# Altium PCB Sayma_AMC_RFSoC.PcbDoc (part 5 of 11) (continued)
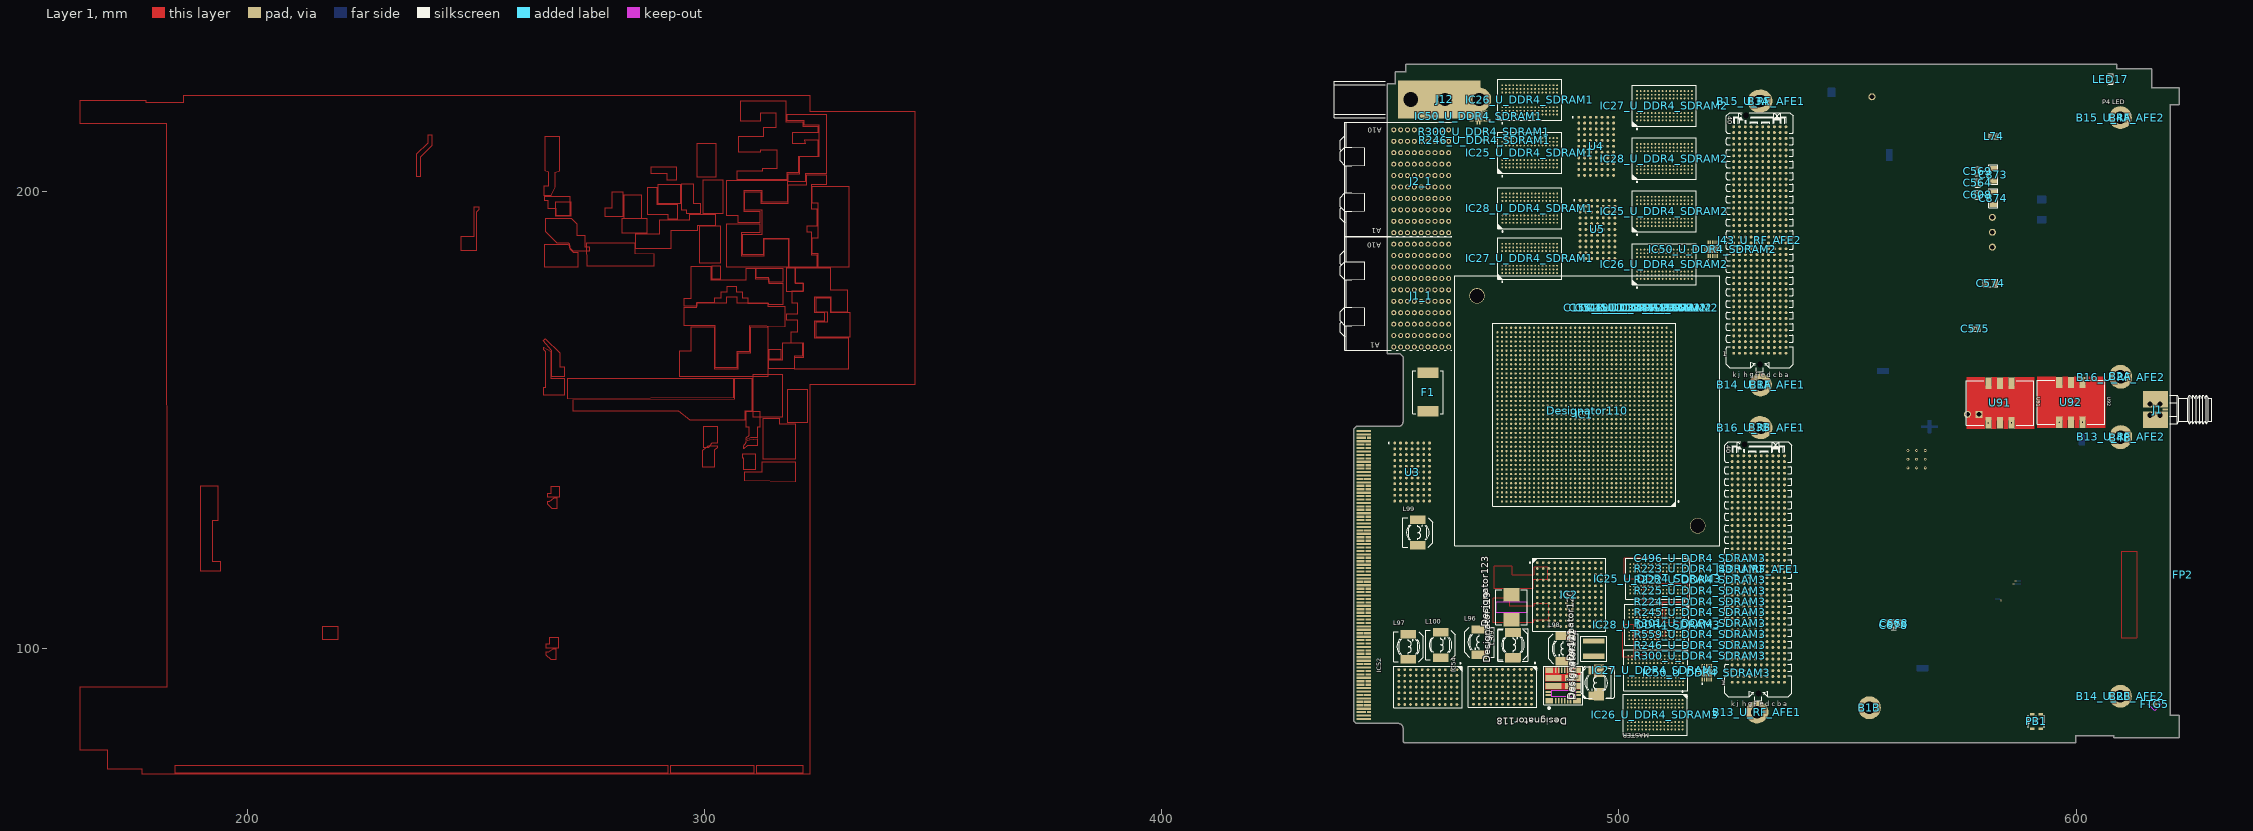
[diagram p0: Layer 1 view]
## Nets (pads, with @x,y where several pads share a name; then routed paths per layer and width w, separated by ;. In a path a pad name is that pad's centre, name@x,y a point inside that pad or via, vN(x,y) a via of type N, cw(c..) or ccw(c..) an arc to the next point about the centre after c; other vN are vias at no path point) (continued)
QSPI2_DQ3: B13_U_RF_AFE1.1 B13_U_RF_AFE2.1 B14_U_RF_AFE1.1 B14_U_RF_AFE2.1 B15_U_RF_AFE1.1 B15_U_RF_AFE2.1 B16_U_RF_AFE1.1 B16_U_RF_AFE2.1 C108_U_DDR4_SDRAM1.2 C108_U_DDR4_SDRAM2.2 C108_U_DDR4_SDRAM3.2 C109_U_DDR4_SDRAM1.2 C109_U_DDR4_SDRAM2.2 C109_U_DDR4_SDRAM3.2 C110_U_DDR4_SDRAM1.2 C110_U_DDR4_SDRAM2.2 C110_U_DDR4_SDRAM3.2 C111_U_DDR4_SDRAM1.2 C111_U_DDR4_SDRAM2.2 C111_U_DDR4_SDRAM3.2 C112_U_DDR4_SDRAM1.2 C112_U_DDR4_SDRAM2.2 C112_U_DDR4_SDRAM3.2 C113_U_DDR4_SDRAM1.2 C113_U_DDR4_SDRAM2.2 C113_U_DDR4_SDRAM3.2 C114_U_DDR4_SDRAM1.2 C114_U_DDR4_SDRAM2.2 C114_U_DDR4_SDRAM3.2 C115_U_DDR4_SDRAM1.2 C115_U_DDR4_SDRAM2.2 C115_U_DDR4_SDRAM3.2 C116_U_DDR4_SDRAM1.2 C116_U_DDR4_SDRAM2.2 C116_U_DDR4_SDRAM3.2 C117_U_DDR4_SDRAM1.2 C117_U_DDR4_SDRAM2.2 C117_U_DDR4_SDRAM3.2 C118_U_DDR4_SDRAM1.2 C118_U_DDR4_SDRAM2.2 C118_U_DDR4_SDRAM3.2 C119_U_DDR4_SDRAM1.2 C119_U_DDR4_SDRAM2.2 C119_U_DDR4_SDRAM3.2 C120_U_DDR4_SDRAM1.2 C120_U_DDR4_SDRAM2.2 C120_U_DDR4_SDRAM3.2 C121_U_DDR4_SDRAM1.2 C121_U_DDR4_SDRAM2.2 C121_U_DDR4_SDRAM3.2 C122_U_DDR4_SDRAM1.2 C122_U_DDR4_SDRAM2.2 C122_U_DDR4_SDRAM3.2 C123_U_DDR4_SDRAM1.2 C123_U_DDR4_SDRAM2.2 C123_U_DDR4_SDRAM3.2 C124_U_DDR4_SDRAM1.2 C124_U_DDR4_SDRAM2.2 C124_U_DDR4_SDRAM3.2 C125_U_DDR4_SDRAM1.2 C125_U_DDR4_SDRAM2.2 C125_U_DDR4_SDRAM3.2 C126_U_DDR4_SDRAM1.2 C126_U_DDR4_SDRAM2.2 C126_U_DDR4_SDRAM3.2 C127_U_DDR4_SDRAM1.2 C127_U_DDR4_SDRAM2.2 C127_U_DDR4_SDRAM3.2 C128_U_DDR4_SDRAM1.2 C128_U_DDR4_SDRAM2.2 C128_U_DDR4_SDRAM3.2 C129_U_DDR4_SDRAM1.2 C129_U_DDR4_SDRAM2.2 C129_U_DDR4_SDRAM3.2 C130_U_DDR4_SDRAM1.2 C130_U_DDR4_SDRAM2.2 C130_U_DDR4_SDRAM3.2 C131_U_DDR4_SDRAM1.2 C131_U_DDR4_SDRAM2.2 C131_U_DDR4_SDRAM3.2 C132_U_DDR4_SDRAM1.2 C132_U_DDR4_SDRAM2.2 C132_U_DDR4_SDRAM3.2 C133_U_DDR4_SDRAM1.2 C133_U_DDR4_SDRAM2.2 C133_U_DDR4_SDRAM3.2 C134_U_DDR4_SDRAM1.2 C134_U_DDR4_SDRAM2.2 C134_U_DDR4_SDRAM3.2 C135_U_DDR4_SDRAM1.2 C135_U_DDR4_SDRAM2.2 C135_U_DDR4_SDRAM3.2 C136_U_DDR4_SDRAM1.2 C136_U_DDR4_SDRAM2.2 C136_U_DDR4_SDRAM3.2 C137_U_DDR4_SDRAM1.2 C137_U_DDR4_SDRAM2.2 C137_U_DDR4_SDRAM3.2 C138_U_DDR4_SDRAM1.2 C138_U_DDR4_SDRAM2.2 C138_U_DDR4_SDRAM3.2 C139_U_DDR4_SDRAM1.2 C139_U_DDR4_SDRAM2.2 C139_U_DDR4_SDRAM3.2 C140_U_DDR4_SDRAM1.2 C140_U_DDR4_SDRAM2.2 C140_U_DDR4_SDRAM3.2 C141_U_DDR4_SDRAM1.2 C141_U_DDR4_SDRAM2.2 C141_U_DDR4_SDRAM3.2 C142_U_DDR4_SDRAM1.2 C142_U_DDR4_SDRAM2.2 C142_U_DDR4_SDRAM3.2 C143_U_DDR4_SDRAM1.1 C143_U_DDR4_SDRAM2.1 C143_U_DDR4_SDRAM3.1 C144_U_DDR4_SDRAM1.2 C144_U_DDR4_SDRAM2.2 C144_U_DDR4_SDRAM3.2 C145_U_DDR4_SDRAM1.2 C145_U_DDR4_SDRAM2.2 C145_U_DDR4_SDRAM3.2 C146_U_DDR4_SDRAM1.2 C146_U_DDR4_SDRAM2.2 C146_U_DDR4_SDRAM3.2 C147_U_DDR4_SDRAM1.2 C147_U_DDR4_SDRAM2.2 C147_U_DDR4_SDRAM3.2 C148_U_DDR4_SDRAM1.2 C148_U_DDR4_SDRAM2.2 C148_U_DDR4_SDRAM3.2 C149_U_DDR4_SDRAM1.2 C149_U_DDR4_SDRAM2.2 C149_U_DDR4_SDRAM3.2 C150_U_DDR4_SDRAM1.2 C150_U_DDR4_SDRAM2.2 C150_U_DDR4_SDRAM3.2 C151_U_DDR4_SDRAM1.2 C151_U_DDR4_SDRAM2.2 C151_U_DDR4_SDRAM3.2 C152_U_DDR4_SDRAM1.2 C152_U_DDR4_SDRAM2.2 C152_U_DDR4_SDRAM3.2 C153_U_DDR4_SDRAM1.2 C153_U_DDR4_SDRAM2.2 C153_U_DDR4_SDRAM3.2 C154_U_DDR4_SDRAM1.2 C154_U_DDR4_SDRAM2.2 C154_U_DDR4_SDRAM3.2 C155_U_DDR4_SDRAM1.2 C155_U_DDR4_SDRAM2.2 C155_U_DDR4_SDRAM3.2 C157_U_DDR4_SDRAM1.2 C157_U_DDR4_SDRAM2.2 C157_U_DDR4_SDRAM3.2 C158_U_DDR4_SDRAM1.2 C158_U_DDR4_SDRAM2.2 C158_U_DDR4_SDRAM3.2 C159_U_DDR4_SDRAM1.2 C159_U_DDR4_SDRAM2.2 C159_U_DDR4_SDRAM3.2 C160_U_DDR4_SDRAM1.2 C160_U_DDR4_SDRAM2.2 C160_U_DDR4_SDRAM3.2 C161_U_DDR4_SDRAM1.2 C161_U_DDR4_SDRAM2.2 C161_U_DDR4_SDRAM3.2 C162_U_DDR4_SDRAM1.2 C162_U_DDR4_SDRAM2.2 C162_U_DDR4_SDRAM3.2 C163_U_DDR4_SDRAM1.2 C163_U_DDR4_SDRAM2.2 C163_U_DDR4_SDRAM3.2 C164_U_DDR4_SDRAM1.2 C164_U_DDR4_SDRAM2.2 C164_U_DDR4_SDRAM3.2 C165_U_DDR4_SDRAM1.2 C165_U_DDR4_SDRAM2.2 C165_U_DDR4_SDRAM3.2 C166_U_DDR4_SDRAM1.2 C166_U_DDR4_SDRAM2.2 C166_U_DDR4_SDRAM3.2 C167_U_DDR4_SDRAM1.2 C167_U_DDR4_SDRAM2.2 C167_U_DDR4_SDRAM3.2 C168_U_DDR4_SDRAM1.2 C168_U_DDR4_SDRAM2.2 C168_U_DDR4_SDRAM3.2 C173_U_DDR4_SDRAM1.2 C173_U_DDR4_SDRAM2.2 C173_U_DDR4_SDRAM3.2 C255_U_DDR4_SDRAM1.2 C255_U_DDR4_SDRAM2.2 C255_U_DDR4_SDRAM3.2 C256_U_DDR4_SDRAM1.2 C256_U_DDR4_SDRAM2.2 C256_U_DDR4_SDRAM3.2 C257_U_DDR4_SDRAM1.2 C257_U_DDR4_SDRAM2.2 C257_U_DDR4_SDRAM3.2 C258_U_DDR4_SDRAM1.2 C258_U_DDR4_SDRAM2.2 C258_U_DDR4_SDRAM3.2 C259_U_DDR4_SDRAM1.2 C259_U_DDR4_SDRAM2.2 C259_U_DDR4_SDRAM3.2 C260_U_DDR4_SDRAM1.2 C260_U_DDR4_SDRAM2.2 C260_U_DDR4_SDRAM3.2 C261_U_DDR4_SDRAM1.2 C261_U_DDR4_SDRAM2.2 C261_U_DDR4_SDRAM3.2 C286_U_DDR4_SDRAM1.1 C286_U_DDR4_SDRAM2.1 C286_U_DDR4_SDRAM3.1 C344.2 C345.2 C361.2 C362.2 C363.2 C364.2 C457.2 C485.2 C494_U_DDR4_SDRAM1.2 C494_U_DDR4_SDRAM2.2 C494_U_DDR4_SDRAM3.2 C495_U_DDR4_SDRAM1.2 C495_U_DDR4_SDRAM2.2 C495_U_DDR4_SDRAM3.2 C496_U_DDR4_SDRAM1.2 C496_U_DDR4_SDRAM2.2 C496_U_DDR4_SDRAM3.2 C564.2 C567.2 C569.2 C570.2 C573.2 C574.2 C577.2 C606.2 C608.2 C633_U_ADC_PLL1.2 C633_U_ADC_PLL2.2 C634_U_ADC_PLL1.2 C634_U_ADC_PLL2.2 C635_U_ADC_PLL1.2 C635_U_ADC_PLL2.2 C636_U_ADC_PLL1.2 C636_U_ADC_PLL2.2 C637_U_ADC_PLL1.2 C637_U_ADC_PLL2.2 C638_U_ADC_PLL1.2 C638_U_ADC_PLL2.2 C639_U_ADC_PLL1.2 C639_U_ADC_PLL2.2 C641_U_ADC_PLL1.2 C641_U_ADC_PLL2.2 C642_U_ADC_PLL1.2 C642_U_ADC_PLL2.2 C643_U_ADC_PLL1.2 C643_U_ADC_PLL2.2 C644_U_ADC_PLL1.2 C644_U_ADC_PLL2.2 C645_U_ADC_PLL1.2 C645_U_ADC_PLL2.2 C647_U_ADC_PLL1.2 C647_U_ADC_PLL2.2 C648_U_ADC_PLL1.2 C648_U_ADC_PLL2.2 C649_U_ADC_PLL1.2 C649_U_ADC_PLL2.2 C650_U_ADC_PLL1.2 C650_U_ADC_PLL2.2 C651_U_ADC_PLL1.2 C651_U_ADC_PLL2.2 C652_U_ADC_PLL1.2 C652_U_ADC_PLL2.2 C653_U_ADC_PLL1.1 C653_U_ADC_PLL2.1 C654_U_ADC_PLL1.1 C654_U_ADC_PLL2.1 C655_U_ADC_PLL1.1 C655_U_ADC_PLL2.1 C657_U_ADC_PLL1.2 C657_U_ADC_PLL2.2 C658_U_ADC_PLL1.1 C658_U_ADC_PLL2.1 C659_U_ADC_PLL1.1 C659_U_ADC_PLL2.1 C660_U_ADC_PLL1.1 C660_U_ADC_PLL2.1 C661_U_ADC_PLL1.1 C661_U_ADC_PLL2.1 C662_U_ADC_PLL1.1 C662_U_ADC_PLL2.1 C663_U_ADC_PLL1.1 C663_U_ADC_PLL2.1 C667.2 C668.2 C669.2 C670.2 C671.2 C672.2 C674.2 C676.2 C677.2 C678.2 C679.2 C680.2 C681.2 C719.2 C720.2 C721.2 C722.2 C723.2 C724.1 C725.1 C726.1 C728.2 C732.2 C733.2 C734.2 C735.2 C736.2 C739.2 C740.2 C741.2 C744.2 C745.2 C748.2 C749.2 C750.2 C751.2 C752.2 C753.2 C754.2 C758.2 C759.1 C762.1 C763.2 C764.2 C765.2 C766.2 C767.2 C769.2 C771.2 C773.2 C774.2 C775.2 C776.1 C778.2 C779.2 C782.2 C783.2 C808.1 C809.1 C810.1 C811.1 C812.1 C813.1 C821.2 C822.2 C823.2 C824.2 C827.2 C829.2 C873.2 C874.2 C920.1 C952.2 C953.2 C954.2 C955.2 C960_U_ADC_PLL1.2 C960_U_ADC_PLL2.2 C961_U_ADC_PLL1.2 C961_U_ADC_PLL2.2 C962_U_ADC_PLL1.2 C962_U_ADC_PLL2.2 C963_U_ADC_PLL1.2 C963_U_ADC_PLL2.2 C964.2 C965.2 C966.2 C967.2 C968.2 C969.2 C970.2 C971.2 C972.2 C973.2 C974.2 C975.2 C976.2 C977.2 C978.2 C979.2 C980.2 C981.2 C982.2 C983.2 C984.2 C985.2 C986.2 C987.2 C988.2 C989.2 C990.2 C991.2 C992.2 C993.2 C1006_U_ADC_PLL1.2 C1006_U_ADC_PLL2.2 C1007_U_ADC_PLL1.2 C1007_U_ADC_PLL2.2 C1008_U_ADC_PLL1.2 C1008_U_ADC_PLL2.2 C1009_U_ADC_PLL1.2 C1009_U_ADC_PLL2.2 C1014.2 C1015.2 C1016.2 C1017.2 IC25_U_DDR4_SDRAM1.A2 IC25_U_DDR4_SDRAM1.A8 IC25_U_DDR4_SDRAM1.B2 IC25_U_DDR4_SDRAM1.C9 IC25_U_DDR4_SDRAM1.D2 IC25_U_DDR4_SDRAM1.D8 IC25_U_DDR4_SDRAM1.E1 IC25_U_DDR4_SDRAM1.E3 IC25_U_DDR4_SDRAM1.E8 IC25_U_DDR4_SDRAM1.E9 IC25_U_DDR4_SDRAM1.F1 IC25_U_DDR4_SDRAM1.G8 IC25_U_DDR4_SDRAM1.H1 IC25_U_DDR4_SDRAM1.H9 IC25_U_DDR4_SDRAM1.K1 IC25_U_DDR4_SDRAM1.K9 IC25_U_DDR4_SDRAM1.M9 IC25_U_DDR4_SDRAM1.N1 IC25_U_DDR4_SDRAM1.T1 IC25_U_DDR4_SDRAM2.A2 IC25_U_DDR4_SDRAM2.A8 IC25_U_DDR4_SDRAM2.B2 IC25_U_DDR4_SDRAM2.C9 IC25_U_DDR4_SDRAM2.D2 IC25_U_DDR4_SDRAM2.D8 IC25_U_DDR4_SDRAM2.E1 IC25_U_DDR4_SDRAM2.E3 IC25_U_DDR4_SDRAM2.E8 IC25_U_DDR4_SDRAM2.E9 IC25_U_DDR4_SDRAM2.F1 IC25_U_DDR4_SDRAM2.G8 IC25_U_DDR4_SDRAM2.H1 IC25_U_DDR4_SDRAM2.H9 IC25_U_DDR4_SDRAM2.K1 IC25_U_DDR4_SDRAM2.K9 IC25_U_DDR4_SDRAM2.M9 IC25_U_DDR4_SDRAM2.N1 IC25_U_DDR4_SDRAM2.T1 IC25_U_DDR4_SDRAM3.A2 IC25_U_DDR4_SDRAM3.A8 IC25_U_DDR4_SDRAM3.B2 IC25_U_DDR4_SDRAM3.C9 IC25_U_DDR4_SDRAM3.D2 IC25_U_DDR4_SDRAM3.D8 IC25_U_DDR4_SDRAM3.E1 IC25_U_DDR4_SDRAM3.E3 IC25_U_DDR4_SDRAM3.E8 IC25_U_DDR4_SDRAM3.E9 IC25_U_DDR4_SDRAM3.F1 IC25_U_DDR4_SDRAM3.G8 IC25_U_DDR4_SDRAM3.H1 IC25_U_DDR4_SDRAM3.H9 IC25_U_DDR4_SDRAM3.K1 IC25_U_DDR4_SDRAM3.K9 IC25_U_DDR4_SDRAM3.M9 IC25_U_DDR4_SDRAM3.N1 IC25_U_DDR4_SDRAM3.T1 IC26_U_DDR4_SDRAM1.A2 IC26_U_DDR4_SDRAM1.A8 IC26_U_DDR4_SDRAM1.B2 IC26_U_DDR4_SDRAM1.C9 IC26_U_DDR4_SDRAM1.D2 IC26_U_DDR4_SDRAM1.D8 IC26_U_DDR4_SDRAM1.E1 IC26_U_DDR4_SDRAM1.E3 IC26_U_DDR4_SDRAM1.E8 IC26_U_DDR4_SDRAM1.E9 IC26_U_DDR4_SDRAM1.F1 IC26_U_DDR4_SDRAM1.G8 IC26_U_DDR4_SDRAM1.H1 IC26_U_DDR4_SDRAM1.H9 IC26_U_DDR4_SDRAM1.K1 IC26_U_DDR4_SDRAM1.K9 IC26_U_DDR4_SDRAM1.M9 IC26_U_DDR4_SDRAM1.N1 IC26_U_DDR4_SDRAM1.T1 IC26_U_DDR4_SDRAM2.A2 IC26_U_DDR4_SDRAM2.A8 IC26_U_DDR4_SDRAM2.B2 IC26_U_DDR4_SDRAM2.C9 IC26_U_DDR4_SDRAM2.D2 IC26_U_DDR4_SDRAM2.D8 IC26_U_DDR4_SDRAM2.E1 IC26_U_DDR4_SDRAM2.E3 IC26_U_DDR4_SDRAM2.E8 IC26_U_DDR4_SDRAM2.E9 IC26_U_DDR4_SDRAM2.F1 IC26_U_DDR4_SDRAM2.G8 IC26_U_DDR4_SDRAM2.H1 IC26_U_DDR4_SDRAM2.H9 IC26_U_DDR4_SDRAM2.K1 IC26_U_DDR4_SDRAM2.K9 IC26_U_DDR4_SDRAM2.M9 IC26_U_DDR4_SDRAM2.N1 IC26_U_DDR4_SDRAM2.T1 IC26_U_DDR4_SDRAM3.A2 IC26_U_DDR4_SDRAM3.A8 IC26_U_DDR4_SDRAM3.B2 IC26_U_DDR4_SDRAM3.C9 IC26_U_DDR4_SDRAM3.D2 IC26_U_DDR4_SDRAM3.D8 IC26_U_DDR4_SDRAM3.E1 IC26_U_DDR4_SDRAM3.E3 IC26_U_DDR4_SDRAM3.E8 IC26_U_DDR4_SDRAM3.E9 IC26_U_DDR4_SDRAM3.F1 IC26_U_DDR4_SDRAM3.G8 IC26_U_DDR4_SDRAM3.H1 IC26_U_DDR4_SDRAM3.H9 IC26_U_DDR4_SDRAM3.K1 IC26_U_DDR4_SDRAM3.K9 IC26_U_DDR4_SDRAM3.M9 IC26_U_DDR4_SDRAM3.N1 IC26_U_DDR4_SDRAM3.T1 IC27_U_DDR4_SDRAM1.A2 IC27_U_DDR4_SDRAM1.A8 IC27_U_DDR4_SDRAM1.B2 IC27_U_DDR4_SDRAM1.C9 IC27_U_DDR4_SDRAM1.D2 IC27_U_DDR4_SDRAM1.D8 IC27_U_DDR4_SDRAM1.E1 IC27_U_DDR4_SDRAM1.E3 IC27_U_DDR4_SDRAM1.E8 IC27_U_DDR4_SDRAM1.E9 IC27_U_DDR4_SDRAM1.F1 IC27_U_DDR4_SDRAM1.G8 IC27_U_DDR4_SDRAM1.H1 IC27_U_DDR4_SDRAM1.H9 IC27_U_DDR4_SDRAM1.K1 IC27_U_DDR4_SDRAM1.K9 IC27_U_DDR4_SDRAM1.M9 IC27_U_DDR4_SDRAM1.N1 IC27_U_DDR4_SDRAM1.T1 IC27_U_DDR4_SDRAM2.A2 IC27_U_DDR4_SDRAM2.A8 IC27_U_DDR4_SDRAM2.B2 IC27_U_DDR4_SDRAM2.C9 IC27_U_DDR4_SDRAM2.D2 IC27_U_DDR4_SDRAM2.D8 IC27_U_DDR4_SDRAM2.E1 IC27_U_DDR4_SDRAM2.E3 IC27_U_DDR4_SDRAM2.E8 IC27_U_DDR4_SDRAM2.E9 IC27_U_DDR4_SDRAM2.F1 IC27_U_DDR4_SDRAM2.G8 IC27_U_DDR4_SDRAM2.H1 IC27_U_DDR4_SDRAM2.H9 IC27_U_DDR4_SDRAM2.K1 IC27_U_DDR4_SDRAM2.K9 IC27_U_DDR4_SDRAM2.M9 IC27_U_DDR4_SDRAM2.N1 IC27_U_DDR4_SDRAM2.T1 IC27_U_DDR4_SDRAM3.A2 IC27_U_DDR4_SDRAM3.A8 IC27_U_DDR4_SDRAM3.B2 IC27_U_DDR4_SDRAM3.C9 IC27_U_DDR4_SDRAM3.D2 IC27_U_DDR4_SDRAM3.D8 IC27_U_DDR4_SDRAM3.E1 IC27_U_DDR4_SDRAM3.E3 IC27_U_DDR4_SDRAM3.E8 IC27_U_DDR4_SDRAM3.E9 IC27_U_DDR4_SDRAM3.F1 IC27_U_DDR4_SDRAM3.G8 IC27_U_DDR4_SDRAM3.H1 IC27_U_DDR4_SDRAM3.H9 IC27_U_DDR4_SDRAM3.K1 IC27_U_DDR4_SDRAM3.K9 IC27_U_DDR4_SDRAM3.M9 IC27_U_DDR4_SDRAM3.N1 IC27_U_DDR4_SDRAM3.T1 IC28_U_DDR4_SDRAM1.A2 IC28_U_DDR4_SDRAM1.A8 IC28_U_DDR4_SDRAM1.B2 IC28_U_DDR4_SDRAM1.C9 IC28_U_DDR4_SDRAM1.D2 IC28_U_DDR4_SDRAM1.D8 IC28_U_DDR4_SDRAM1.E1 IC28_U_DDR4_SDRAM1.E3 IC28_U_DDR4_SDRAM1.E8 IC28_U_DDR4_SDRAM1.E9 IC28_U_DDR4_SDRAM1.F1 IC28_U_DDR4_SDRAM1.G8 IC28_U_DDR4_SDRAM1.H1 IC28_U_DDR4_SDRAM1.H9 IC28_U_DDR4_SDRAM1.K1 IC28_U_DDR4_SDRAM1.K9 IC28_U_DDR4_SDRAM1.M9 IC28_U_DDR4_SDRAM1.N1 IC28_U_DDR4_SDRAM1.T1 IC28_U_DDR4_SDRAM2.A2 IC28_U_DDR4_SDRAM2.A8 IC28_U_DDR4_SDRAM2.B2 IC28_U_DDR4_SDRAM2.C9 IC28_U_DDR4_SDRAM2.D2 IC28_U_DDR4_SDRAM2.D8 IC28_U_DDR4_SDRAM2.E1 IC28_U_DDR4_SDRAM2.E3 IC28_U_DDR4_SDRAM2.E8 IC28_U_DDR4_SDRAM2.E9 IC28_U_DDR4_SDRAM2.F1 IC28_U_DDR4_SDRAM2.G8 IC28_U_DDR4_SDRAM2.H1 IC28_U_DDR4_SDRAM2.H9 IC28_U_DDR4_SDRAM2.K1 IC28_U_DDR4_SDRAM2.K9 IC28_U_DDR4_SDRAM2.M9 IC28_U_DDR4_SDRAM2.N1 IC28_U_DDR4_SDRAM2.T1 IC28_U_DDR4_SDRAM3.A2 IC28_U_DDR4_SDRAM3.A8 IC28_U_DDR4_SDRAM3.B2 IC28_U_DDR4_SDRAM3.C9 IC28_U_DDR4_SDRAM3.D2 IC28_U_DDR4_SDRAM3.D8 IC28_U_DDR4_SDRAM3.E1 IC28_U_DDR4_SDRAM3.E3 IC28_U_DDR4_SDRAM3.E8 IC28_U_DDR4_SDRAM3.E9 IC28_U_DDR4_SDRAM3.F1 IC28_U_DDR4_SDRAM3.G8 IC28_U_DDR4_SDRAM3.H1 IC28_U_DDR4_SDRAM3.H9 IC28_U_DDR4_SDRAM3.K1 IC28_U_DDR4_SDRAM3.K9 IC28_U_DDR4_SDRAM3.M9 IC28_U_DDR4_SDRAM3.N1 IC28_U_DDR4_SDRAM3.T1 IC50_U_DDR4_SDRAM1.4 IC50_U_DDR4_SDRAM1.8 IC50_U_DDR4_SDRAM1.11 IC50_U_DDR4_SDRAM2.4 IC50_U_DDR4_SDRAM2.8 IC50_U_DDR4_SDRAM2.11 IC50_U_DDR4_SDRAM3.4 IC50_U_DDR4_SDRAM3.8 IC50_U_DDR4_SDRAM3.11 IC53.8 IC60.6 J1.2 J43_U_RF_AFE1.a1 J43_U_RF_AFE1.a2 J43_U_RF_AFE1.a3 J43_U_RF_AFE1.a4 J43_U_RF_AFE1.a5 J43_U_RF_AFE1.a6 J43_U_RF_AFE1.a7 J43_U_RF_AFE1.a8 J43_U_RF_AFE1.a9 J43_U_RF_AFE1.a10 J43_U_RF_AFE1.a11 J43_U_RF_AFE1.a12 J43_U_RF_AFE1.a13 J43_U_RF_AFE1.a14 J43_U_RF_AFE1.a15 J43_U_RF_AFE1.a16 J43_U_RF_AFE1.a17 J43_U_RF_AFE1.a18 J43_U_RF_AFE1.a19 J43_U_RF_AFE1.a20 J43_U_RF_AFE1.a21 J43_U_RF_AFE1.a22 J43_U_RF_AFE1.a23 J43_U_RF_AFE1.a24 J43_U_RF_AFE1.a25 J43_U_RF_AFE1.a26 J43_U_RF_AFE1.a27 J43_U_RF_AFE1.a30 J43_U_RF_AFE1.a31 J43_U_RF_AFE1.a32 J43_U_RF_AFE1.a35 J43_U_RF_AFE1.a40 J43_U_RF_AFE1.b1 J43_U_RF_AFE1.b2 J43_U_RF_AFE1.b3 J43_U_RF_AFE1.b4 J43_U_RF_AFE1.b5 J43_U_RF_AFE1.b6 J43_U_RF_AFE1.b7 J43_U_RF_AFE1.b8 J43_U_RF_AFE1.b9 J43_U_RF_AFE1.b10 J43_U_RF_AFE1.b11 J43_U_RF_AFE1.b12 J43_U_RF_AFE1.b13 J43_U_RF_AFE1.b14 J43_U_RF_AFE1.b15 J43_U_RF_AFE1.b16 J43_U_RF_AFE1.b17 J43_U_RF_AFE1.b18 J43_U_RF_AFE1.b19 J43_U_RF_AFE1.b20 J43_U_RF_AFE1.b21 J43_U_RF_AFE1.b22 J43_U_RF_AFE1.b23 J43_U_RF_AFE1.b24 J43_U_RF_AFE1.b25 J43_U_RF_AFE1.b26 J43_U_RF_AFE1.b27 J43_U_RF_AFE1.b30 J43_U_RF_AFE1.b35 J43_U_RF_AFE1.b40 J43_U_RF_AFE1.c1 J43_U_RF_AFE1.c4 J43_U_RF_AFE1.c5 J43_U_RF_AFE1.c6 J43_U_RF_AFE1.c7 J43_U_RF_AFE1.c8 J43_U_RF_AFE1.c9 J43_U_RF_AFE1.c10 J43_U_RF_AFE1.c11 J43_U_RF_AFE1.c12 J43_U_RF_AFE1.c13 J43_U_RF_AFE1.c16 J43_U_RF_AFE1.c17 J43_U_RF_AFE1.c18 J43_U_RF_AFE1.c19 J43_U_RF_AFE1.c20 J43_U_RF_AFE1.c21 J43_U_RF_AFE1.c22 J43_U_RF_AFE1.c23 J43_U_RF_AFE1.c24 J43_U_RF_AFE1.c27 J43_U_RF_AFE1.c28 J43_U_RF_AFE1.c29 J43_U_RF_AFE1.c32 J43_U_RF_AFE1.c36 J43_U_RF_AFE1.c40 J43_U_RF_AFE1.d1 J43_U_RF_AFE1.d2 J43_U_RF_AFE1.d3 J43_U_RF_AFE1.d4 J43_U_RF_AFE1.d5 J43_U_RF_AFE1.d6 J43_U_RF_AFE1.d7 J43_U_RF_AFE1.d10 J43_U_RF_AFE1.d11 J43_U_RF_AFE1.d12 J43_U_RF_AFE1.d13 J43_U_RF_AFE1.d14 J43_U_RF_AFE1.d15 J43_U_RF_AFE1.d16 J43_U_RF_AFE1.d17 J43_U_RF_AFE1.d18 J43_U_RF_AFE1.d19 J43_U_RF_AFE1.d22 J43_U_RF_AFE1.d23 J43_U_RF_AFE1.d24 J43_U_RF_AFE1.d25 J43_U_RF_AFE1.d26 J43_U_RF_AFE1.d27 J43_U_RF_AFE1.d28 J43_U_RF_AFE1.d31 J43_U_RF_AFE1.d36 J43_U_RF_AFE1.d40 J43_U_RF_AFE1.e1 J43_U_RF_AFE1.e2 J43_U_RF_AFE1.e3 J43_U_RF_AFE1.e4 J43_U_RF_AFE1.e5 J43_U_RF_AFE1.e6 J43_U_RF_AFE1.e7 J43_U_RF_AFE1.e8 J43_U_RF_AFE1.e9 J43_U_RF_AFE1.e10 J43_U_RF_AFE1.e11 J43_U_RF_AFE1.e12 J43_U_RF_AFE1.e13 J43_U_RF_AFE1.e14 J43_U_RF_AFE1.e15 J43_U_RF_AFE1.e16 J43_U_RF_AFE1.e17 J43_U_RF_AFE1.e18 J43_U_RF_AFE1.e19 J43_U_RF_AFE1.e20 J43_U_RF_AFE1.e21 J43_U_RF_AFE1.e22 J43_U_RF_AFE1.e23 J43_U_RF_AFE1.e24 J43_U_RF_AFE1.e25 J43_U_RF_AFE1.e26 J43_U_RF_AFE1.e27 J43_U_RF_AFE1.e28 J43_U_RF_AFE1.e29 J43_U_RF_AFE1.e30 J43_U_RF_AFE1.e33 J43_U_RF_AFE1.e36 J43_U_RF_AFE1.e40 J43_U_RF_AFE1.f1 J43_U_RF_AFE1.f2 J43_U_RF_AFE1.f3 J43_U_RF_AFE1.f4 J43_U_RF_AFE1.f5 J43_U_RF_AFE1.f6 J43_U_RF_AFE1.f7 J43_U_RF_AFE1.f8 J43_U_RF_AFE1.f9 J43_U_RF_AFE1.f10 J43_U_RF_AFE1.f11 J43_U_RF_AFE1.f12 J43_U_RF_AFE1.f13 J43_U_RF_AFE1.f14 J43_U_RF_AFE1.f15 J43_U_RF_AFE1.f16 J43_U_RF_AFE1.f17 J43_U_RF_AFE1.f18 J43_U_RF_AFE1.f19 J43_U_RF_AFE1.f20 J43_U_RF_AFE1.f21 J43_U_RF_AFE1.f22 J43_U_RF_AFE1.f23 J43_U_RF_AFE1.f24 J43_U_RF_AFE1.f25 J43_U_RF_AFE1.f26 J43_U_RF_AFE1.f29 J43_U_RF_AFE1.f33 J43_U_RF_AFE1.f36 J43_U_RF_AFE1.f40 J43_U_RF_AFE1.g1 J43_U_RF_AFE1.g2 J43_U_RF_AFE1.g3 J43_U_RF_AFE1.g4 J43_U_RF_AFE1.g5 J43_U_RF_AFE1.g6 J43_U_RF_AFE1.g7 J43_U_RF_AFE1.g8 J43_U_RF_AFE1.g9 J43_U_RF_AFE1.g10 J43_U_RF_AFE1.g13 J43_U_RF_AFE1.g14 J43_U_RF_AFE1.g15 J43_U_RF_AFE1.g16 J43_U_RF_AFE1.g17 J43_U_RF_AFE1.g18 J43_U_RF_AFE1.g19 J43_U_RF_AFE1.g20 J43_U_RF_AFE1.g21 J43_U_RF_AFE1.g22 J43_U_RF_AFE1.g25 J43_U_RF_AFE1.g26 J43_U_RF_AFE1.g27 J43_U_RF_AFE1.g30 J43_U_RF_AFE1.g33 J43_U_RF_AFE1.g36 J43_U_RF_AFE1.g40 J43_U_RF_AFE1.h1 J43_U_RF_AFE1.h2 J43_U_RF_AFE1.h3 J43_U_RF_AFE1.h4 J43_U_RF_AFE1.h7 J43_U_RF_AFE1.h8 J43_U_RF_AFE1.h9 J43_U_RF_AFE1.h10 J43_U_RF_AFE1.h11 J43_U_RF_AFE1.h12 J43_U_RF_AFE1.h13 J43_U_RF_AFE1.h14 J43_U_RF_AFE1.h15 J43_U_RF_AFE1.h16 J43_U_RF_AFE1.h19 J43_U_RF_AFE1.h20 J43_U_RF_AFE1.h21 J43_U_RF_AFE1.h22 J43_U_RF_AFE1.h23 J43_U_RF_AFE1.h24 J43_U_RF_AFE1.h25 J43_U_RF_AFE1.h26 J43_U_RF_AFE1.h27 J43_U_RF_AFE1.h28 J43_U_RF_AFE1.h33 J43_U_RF_AFE1.h36 J43_U_RF_AFE1.h40 J43_U_RF_AFE1.j1 J43_U_RF_AFE1.j2 J43_U_RF_AFE1.j3 J43_U_RF_AFE1.j4 J43_U_RF_AFE1.j5 J43_U_RF_AFE1.j6 J43_U_RF_AFE1.j7 J43_U_RF_AFE1.j8 J43_U_RF_AFE1.j9 J43_U_RF_AFE1.j10 J43_U_RF_AFE1.j11 J43_U_RF_AFE1.j12 J43_U_RF_AFE1.j13 J43_U_RF_AFE1.j14 J43_U_RF_AFE1.j15 J43_U_RF_AFE1.j16 J43_U_RF_AFE1.j17 J43_U_RF_AFE1.j18 J43_U_RF_AFE1.j19 J43_U_RF_AFE1.j20 J43_U_RF_AFE1.j21 J43_U_RF_AFE1.j22 J43_U_RF_AFE1.j23 J43_U_RF_AFE1.j24 J43_U_RF_AFE1.j25 J43_U_RF_AFE1.j26 J43_U_RF_AFE1.j27 J43_U_RF_AFE1.j28 J43_U_RF_AFE1.j29 J43_U_RF_AFE1.j30 J43_U_RF_AFE1.j33 J43_U_RF_AFE1.j36 J43_U_RF_AFE1.j40 J43_U_RF_AFE1.k1 J43_U_RF_AFE1.k2 J43_U_RF_AFE1.k3 J43_U_RF_AFE1.k4 J43_U_RF_AFE1.k5 J43_U_RF_AFE1.k6 J43_U_RF_AFE1.k7 J43_U_RF_AFE1.k8 J43_U_RF_AFE1.k9 J43_U_RF_AFE1.k10 J43_U_RF_AFE1.k11 J43_U_RF_AFE1.k12 J43_U_RF_AFE1.k13 J43_U_RF_AFE1.k14 J43_U_RF_AFE1.k15 J43_U_RF_AFE1.k16 J43_U_RF_AFE1.k17 J43_U_RF_AFE1.k18 J43_U_RF_AFE1.k19 J43_U_RF_AFE1.k20 J43_U_RF_AFE1.k21 J43_U_RF_AFE1.k22 J43_U_RF_AFE1.k23 J43_U_RF_AFE1.k24 J43_U_RF_AFE1.k25 J43_U_RF_AFE1.k26 J43_U_RF_AFE1.k27 J43_U_RF_AFE1.k30 J43_U_RF_AFE1.k31 J43_U_RF_AFE1.k32 J43_U_RF_AFE1.k33 J43_U_RF_AFE1.k36 J43_U_RF_AFE1.k40 J43_U_RF_AFE2.a1 J43_U_RF_AFE2.a2 J43_U_RF_AFE2.a3 J43_U_RF_AFE2.a4 J43_U_RF_AFE2.a5 J43_U_RF_AFE2.a6 J43_U_RF_AFE2.a7 J43_U_RF_AFE2.a8 J43_U_RF_AFE2.a9 J43_U_RF_AFE2.a10 J43_U_RF_AFE2.a11 J43_U_RF_AFE2.a12 J43_U_RF_AFE2.a13 J43_U_RF_AFE2.a14 J43_U_RF_AFE2.a15 J43_U_RF_AFE2.a16 J43_U_RF_AFE2.a17 J43_U_RF_AFE2.a18 J43_U_RF_AFE2.a19 J43_U_RF_AFE2.a20 J43_U_RF_AFE2.a21 J43_U_RF_AFE2.a22 J43_U_RF_AFE2.a23 J43_U_RF_AFE2.a24 J43_U_RF_AFE2.a25 J43_U_RF_AFE2.a26 J43_U_RF_AFE2.a27 J43_U_RF_AFE2.a30 J43_U_RF_AFE2.a31 J43_U_RF_AFE2.a32 J43_U_RF_AFE2.a35 J43_U_RF_AFE2.a40 J43_U_RF_AFE2.b1 J43_U_RF_AFE2.b2 J43_U_RF_AFE2.b3 J43_U_RF_AFE2.b4 J43_U_RF_AFE2.b5 J43_U_RF_AFE2.b6 J43_U_RF_AFE2.b7 J43_U_RF_AFE2.b8 J43_U_RF_AFE2.b9 J43_U_RF_AFE2.b10 J43_U_RF_AFE2.b11 J43_U_RF_AFE2.b12 J43_U_RF_AFE2.b13 J43_U_RF_AFE2.b14 J43_U_RF_AFE2.b15 J43_U_RF_AFE2.b16 J43_U_RF_AFE2.b17 J43_U_RF_AFE2.b18 J43_U_RF_AFE2.b19 J43_U_RF_AFE2.b20 J43_U_RF_AFE2.b21 J43_U_RF_AFE2.b22 J43_U_RF_AFE2.b23 J43_U_RF_AFE2.b24 J43_U_RF_AFE2.b25 J43_U_RF_AFE2.b26 J43_U_RF_AFE2.b27 J43_U_RF_AFE2.b30 J43_U_RF_AFE2.b35 J43_U_RF_AFE2.b40 J43_U_RF_AFE2.c1 J43_U_RF_AFE2.c4 J43_U_RF_AFE2.c5 J43_U_RF_AFE2.c6 J43_U_RF_AFE2.c7 J43_U_RF_AFE2.c8 J43_U_RF_AFE2.c9 J43_U_RF_AFE2.c10 J43_U_RF_AFE2.c11 J43_U_RF_AFE2.c12 J43_U_RF_AFE2.c13 J43_U_RF_AFE2.c16 J43_U_RF_AFE2.c17 J43_U_RF_AFE2.c18 J43_U_RF_AFE2.c19 J43_U_RF_AFE2.c20 J43_U_RF_AFE2.c21 J43_U_RF_AFE2.c22 J43_U_RF_AFE2.c23 J43_U_RF_AFE2.c24 J43_U_RF_AFE2.c27 J43_U_RF_AFE2.c28 J43_U_RF_AFE2.c29 J43_U_RF_AFE2.c32 J43_U_RF_AFE2.c36 J43_U_RF_AFE2.c40 J43_U_RF_AFE2.d1 J43_U_RF_AFE2.d2 J43_U_RF_AFE2.d3 J43_U_RF_AFE2.d4 J43_U_RF_AFE2.d5 J43_U_RF_AFE2.d6 J43_U_RF_AFE2.d7 J43_U_RF_AFE2.d10 J43_U_RF_AFE2.d11 J43_U_RF_AFE2.d12 J43_U_RF_AFE2.d13 J43_U_RF_AFE2.d14 J43_U_RF_AFE2.d15 J43_U_RF_AFE2.d16 J43_U_RF_AFE2.d17 J43_U_RF_AFE2.d18 J43_U_RF_AFE2.d19 J43_U_RF_AFE2.d22 J43_U_RF_AFE2.d23 J43_U_RF_AFE2.d24 J43_U_RF_AFE2.d25 J43_U_RF_AFE2.d26 J43_U_RF_AFE2.d27 J43_U_RF_AFE2.d28 J43_U_RF_AFE2.d31 J43_U_RF_AFE2.d36 J43_U_RF_AFE2.d40 J43_U_RF_AFE2.e1 J43_U_RF_AFE2.e2 J43_U_RF_AFE2.e3 J43_U_RF_AFE2.e4 J43_U_RF_AFE2.e5 J43_U_RF_AFE2.e6 J43_U_RF_AFE2.e7 J43_U_RF_AFE2.e8 J43_U_RF_AFE2.e9 J43_U_RF_AFE2.e10 J43_U_RF_AFE2.e11 J43_U_RF_AFE2.e12 J43_U_RF_AFE2.e13 J43_U_RF_AFE2.e14 J43_U_RF_AFE2.e15 J43_U_RF_AFE2.e16 J43_U_RF_AFE2.e17 J43_U_RF_AFE2.e18 J43_U_RF_AFE2.e19 J43_U_RF_AFE2.e20 J43_U_RF_AFE2.e21 J43_U_RF_AFE2.e22 J43_U_RF_AFE2.e23 J43_U_RF_AFE2.e24 J43_U_RF_AFE2.e25 J43_U_RF_AFE2.e26 J43_U_RF_AFE2.e27 J43_U_RF_AFE2.e28 J43_U_RF_AFE2.e29 J43_U_RF_AFE2.e30 J43_U_RF_AFE2.e33 J43_U_RF_AFE2.e36 J43_U_RF_AFE2.e40 